# Altium PCB USB-SMB-ISO-CP2112-V-1.PcbDoc (continued)
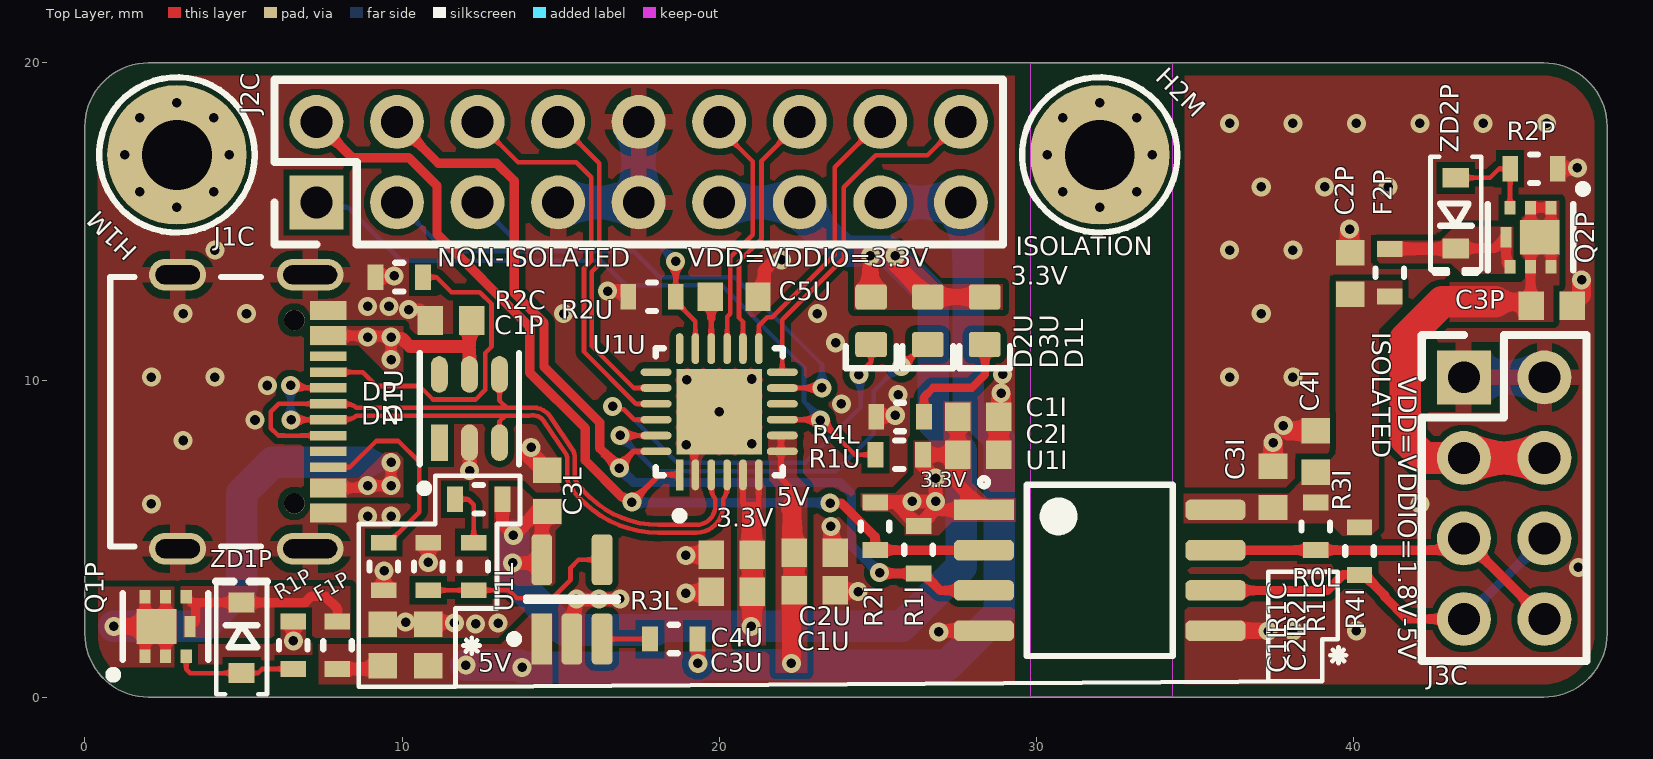
[diagram p0: Top Layer view]
## Part data
C1I C3U C4U: library part 100nF_6.3V, "Cap Cer 0.1UF 6.3V X7R 0603", MANUFACTURER="KYOCERA AVX", Package=0603, Supplier Part Number 1=478-KGM15AR70J104KMCT-ND, Voltage=6.3V, CATEGORY="Ceramic Capacitors", Manufacturer Part Number=KGM15AR70J104KM, Pricing 1="1=0.1, 10=0.032, 50=0.0186, 100=0.0144, 500=0.01082, 1000=0.0085, 2500=0.00772, 5000=0.00711 (USD)", Stock 1=117167, Supplier 1=Digikey, Tol=10%
C1L: library part 10uF_10V, "Multilayer Ceramic Capacitor, 10 uF, 10 V, ± 10%, X5R, 0603 [1608 Metric]", Case Code (Imperial)=0603, Case Code (Metric)=1608, Dielectric=X5R, Dielectric Material=Ceramic, MANUFACTURER=TDK, Max Operating Temperature=85°C, Min Operating Temperature=-55°C, Package Quantity=1, Supplier Part Number 1=ST47794328, Tolerance=10%, Voltage=10V, Case/Package=0603, CATEGORY="Ceramic Capacitors", componentlink1description=https://datasheet.ciiva.com/23802/1796654-23802763.pdf?src-supplier=Newark, componentlink1url=https://datasheet.ciiva.com/23802/1796654-23802763.pdf?src-supplier=Newark, componentlink2description=https://datasheet.ciiva.com/7975/1796654-7975065.pdf?src-supplier=Element14, componentlink2url=https://datasheet.ciiva.com/7975/1796654-7975065.pdf?src-supplier=Element14, ComponentLink3Description=https://datasheet.ciiva.com/22694/1796654-22694118.pdf?src-supplier=Element14, ComponentLink3URL=https://datasheet.ciiva.com/22694/1796654-22694118.pdf?src-supplier=Element14, ComponentLink4Description=https://datasheet.ciiva.com/28577/mlcc-commercial-general-en-28577085.pdf?src-supplier=Element14, ComponentLink4URL=https://datasheet.ciiva.com/28577/mlcc-commercial-general-en-28577085.pdf?src-supplier=Element14, ComponentLink5Description=https://datasheet.ciiva.com/28577/1744655-28577071.pdf?src-supplier=Element14, ComponentLink5URL=https://datasheet.ciiva.com/28577/1744655-28577071.pdf?src-supplier=Element14, ComponentLink6Description=https://datasheet.ciiva.com/6288/tdkmlcccaprange-6288222.pdf?src-supplier=Digikey, ComponentLink6URL=https://datasheet.ciiva.com/6288/tdkmlcccaprange-6288222.pdf?src-supplier=Digikey, ComponentLink7Description=https://datasheet.ciiva.com/6288/tdkmlcccaprange-6288220.pdf?src-supplier=Digikey, ComponentLink7URL=https://datasheet.ciiva.com/6288/tdkmlcccaprange-6288220.pdf?src-supplier=Digikey, ComponentLink8Description=https://datasheet.ciiva.com/6288/tdkmlcccaprange-6288223.pdf?src-supplier=Digikey, ComponentLink8URL=https://datasheet.ciiva.com/6288/tdkmlcccaprange-6288223.pdf?src-supplier=Digikey, ComponentLink9Description=https://datasheet.ciiva.com/16449/mlcc-commercial-general-en-16449573.pdf?src-supplier=Future+Electronics, ComponentLink9URL=https://datasheet.ciiva.com/16449/mlcc-commercial-general-en-16449573.pdf?src-supplier=Future+Electronics, ComponentLink10Description=https://datasheet.ciiva.com/48671/e412-c-48671301.pdf?src-supplier=Avnet, ComponentLink10URL=https://datasheet.ciiva.com/48671/e412-c-48671301.pdf?src-supplier=Avnet, Construction=Flat, Depth=0.8mm, Height=0.8mm, Lead Free="Lead Free", Length=1.6mm, Manufacturer Part Number=C1608X5R1A106K080AC, Material=4241ConductorMaterial, Mounting Technology="Surface Mount", packaging="Tape and Reel", Pins=2, Pricing 1="1=61.09, 10=33.6, 50=30.24, 100=24, 500=21.6, 1000=20.52, 2000=19.9, 4000=9.6 (JPY)", Reach SVHC Compliant=No, RoHS=Yes, RoHS Compliant=Yes, SERIES=C, Stock 1=1640, Supplier 1=CoreStaff, Termination=SMD/SMT, Thickness=0.035inch, Voltage Rating=10V, Voltage Rating (DC)=10V, Weight=7.1E-05oz, Width=0.031inch
C1P C1U C2L C2U C3P C4I: library part 100nF_10V, "Multilayer Ceramic Capacitor, 0.1 uF, 10 V, ± 10%, X7R, 0603 [1608 Metric]", Case Code (Imperial)=0603, Case Code (Metric)=1608, Dielectric=X7R, Dielectric Material=Ceramic, MANUFACTURER=KEMET, Max Operating Temperature=125°C, Min Operating Temperature=-55°C, Package Quantity=1, Supplier Part Number 1=80-C0603C104K8R, Temperature Coefficient=30ppm/°C, Tolerance=10%, Voltage=10V, Case/Package=0603, CATEGORY="Ceramic Capacitors", componentlink1description=https://datasheet.ciiva.com/6093/1776114-6093269.pdf?src-supplier=Farnell, componentlink1url=https://datasheet.ciiva.com/6093/1776114-6093269.pdf?src-supplier=Farnell, componentlink2description=https://datasheet.ciiva.com/7823/kem-c1002-x7r-smd-7823989.pdf?src-supplier=Element14, componentlink2url=https://datasheet.ciiva.com/7823/kem-c1002-x7r-smd-7823989.pdf?src-supplier=Element14, ComponentLink3Description=https://datasheet.ciiva.com/22693/1851736-22693967.pdf?src-supplier=Element14, ComponentLink3URL=https://datasheet.ciiva.com/22693/1851736-22693967.pdf?src-supplier=Element14, ComponentLink4Description=https://datasheet.ciiva.com/14589/70095383-14589402.pdf?src-supplier=Allied+Electronics, ComponentLink4URL=https://datasheet.ciiva.com/14589/70095383-14589402.pdf?src-supplier=Allied+Electronics, ComponentLink5Description=https://datasheet.ciiva.com/14593/70095383-14593978.pdf?src-supplier=Allied+Electronics, ComponentLink5URL=https://datasheet.ciiva.com/14593/70095383-14593978.pdf?src-supplier=Allied+Electronics, ComponentLink6Description=https://datasheet.ciiva.com/5419/kem-c1002-x7r-smd-357932-5419657.pdf?src-supplier=Mouser, ComponentLink6URL=https://datasheet.ciiva.com/5419/kem-c1002-x7r-smd-357932-5419657.pdf?src-supplier=Mouser, ComponentLink7Description=https://datasheet.ciiva.com/18192/getdatasheetpartid-91529-18192711.pdf?src-supplier=Verical, ComponentLink7URL=https://datasheet.ciiva.com/18192/getdatasheetpartid-91529-18192711.pdf?src-supplier=Verical, Construction=Flat, Depth=0.8mm, Dissipation Factor=5%, Height=0.8mm, Lead Free=5697LeadFree, Lead Pitch=0.7mm, Length=1.6mm, Manufacturer Part Number=C0603C104K8RACTU, Material=4241ConductorMaterial, Mounting Technology="Surface Mount,PCB", packaging="Tape and Reel", Pins=2, Pricing 1="1=0.11, 10=0.075, 50=0.075, 100=0.036, 1000=0.021, 10000=0.017 (USD)", Radiation Hardening=No, Reach SVHC Compliant=No, RoHS=Yes, RoHS Compliant=Yes, SERIES=C, Stock 1=246409, Supplier 1=Mouser, Termination=SMD/SMT, Thickness=0.034inch, Voltage Rating=10V, Voltage Rating (DC)=10V, Width=0.031inch
C2I: library part 1nF_6.3V, "Cap Ceramic 0.001uF 6.3V C0G 10% SMD 0603 125°C Paper T/R", Case Code (Imperial)=0603, Case Code (Metric)=1608, Dielectric=C0G, MANUFACTURER="Kyocera AVX", Max Operating Temperature=125°C, Min Operating Temperature=-55°C, Package Quantity=4000, Tolerance=10%, Voltage Rating=6.3V, Case/Package=0603, CATEGORY="Ceramic Capacitors", componentlink1description=https://datasheet.ciiva.com/6265/ccog-6265066.pdf?src-supplier=Digikey, componentlink1url=https://datasheet.ciiva.com/6265/ccog-6265066.pdf?src-supplier=Digikey, Construction=Flat, Depth=0.81mm, Length=1.6mm, Manufacturer Part Number=06036A102KAT2A, Mounting Technology="Surface Mount", packaging="Tape and Reel", Pins=2, RoHS=Yes, RoHS Compliant=Yes, SERIES=-, Supplier 1=Avnet, Supplier Part Number 1=06036A102KAT2A, Termination=SMD/SMT, Thickness=0.035inch, Voltage Rating (DC)=6.3V, Width=0.032inch
C2P: library part 1uF_10V, "Ceramic Capacitor, Multilayer, Ceramic, 10V, 10% +Tol, 10% -Tol, X5R, 15% TC, 1uF, 0603", Case Code (Imperial)=0603, Case Code (Metric)=1608, Dielectric=X5R, Dielectric Material=Ceramic, MANUFACTURER=KEMET, Max Operating Temperature=85°C, Min Operating Temperature=-55°C, Package Quantity=1, Tolerance=10%, Voltage=10V, Case/Package=0603, CATEGORY="Ceramic Capacitors", Construction=Flat, Depth=0.8mm, Height=0.8mm, Lead Free=5697LeadFree, Length=1.6mm, Manufacturer Part Number=C0603C105K8PACTU, Mounting Technology="Surface Mount", packaging="Tape and Reel", Pins=2, Pricing 1="1=0.1, 10=0.03, 50=0.03, 100=0.018, 1000=0.014, 10000=0.009 (USD)", Radiation Hardening=No, Reach SVHC Compliant=No, RoHS=Yes, RoHS Compliant=Yes, SERIES=C, Stock 1=221942, Supplier 1=Mouser, Termination=SMD/SMT, Thickness=0.035inch, Voltage Rating=10V, Voltage Rating (DC)=10V, Weight=7.1E-05oz, Width=0.031inch
C3I: library part 1nF_10V, "Cap Ceramic 0.001uF 10V X7R 10% SMD 0603 125°C Paper T/R", Case Code (Imperial)=0603, Case Code (Metric)=1608, Dielectric=X7R, MANUFACTURER=Yageo, Max Operating Temperature=125°C, Min Operating Temperature=-55°C, Supplier Part Number 1=6091492, Tolerance=10%, Voltage Rating=10V, Case/Package=0603, CATEGORY="Ceramic Capacitors", componentlink1description=https://datasheet.ciiva.com/13210/upy-gphc-x7r-6-3v-to-50v-8-12304-13210264.pdf?src-supplier=Mouser, componentlink1url=https://datasheet.ciiva.com/13210/upy-gphc-x7r-6-3v-to-50v-8-12304-13210264.pdf?src-supplier=Mouser, Construction=Flat, Halogen Free="Halogen Free", Height=0.8mm, Lead Free="Lead Free", Length=0.063inch, Manufacturer Part Number=CC0603KRX7R6BB102, Mounting Technology="Surface Mount", packaging="Tape and Reel", Pricing 1="4000=0.0036, 16000=0.0035, 80000=0.0033, 160000=0.0033, 500000=0.0031 (USD)", RoHS=Yes, RoHS Compliant=Yes, SERIES=CC, Stock 1=16000, Supplier 1="Future Electronics", Termination=Wraparound, Thickness=0.035inch, Voltage Rating (DC)=10V, Width=0.031inch
C3L: library part 10uF_6.3V, "Multilayer Ceramic Capacitor, 10 uF, 6.3 V, ± 10%, X5R, 0603 [1608 Metric]", Case Code (Imperial)=0603, Case Code (Metric)=1608, Dielectric=X5R, MANUFACTURER=Samsung, Max Operating Temperature=85°C, Min Operating Temperature=-55°C, Package Quantity=1, Tolerance=10%, Voltage=6.3V, Case/Package=0603, CATEGORY="Ceramic Capacitors", componentlink1description=https://datasheet.ciiva.com/25793/cl10a106kq8nnnc-25793136.pdf?src-supplier=Digikey, componentlink1url=https://datasheet.ciiva.com/25793/cl10a106kq8nnnc-25793136.pdf?src-supplier=Digikey, componentlink2description=https://datasheet.ciiva.com/26838/getdatasheetpartid-359689-26838341.pdf?src-supplier=Verical, componentlink2url=https://datasheet.ciiva.com/26838/getdatasheetpartid-359689-26838341.pdf?src-supplier=Verical, ComponentLink3Description=https://datasheet.ciiva.com/29198/457384-da-01-en-vs-kondensator-0603-29198793.pdf?src-supplier=Conrad, ComponentLink3URL=https://datasheet.ciiva.com/29198/457384-da-01-en-vs-kondensator-0603-29198793.pdf?src-supplier=Conrad, Construction=Flat, Depth=0.8mm, Height=0.8mm, Length=1.6mm, Manufacturer Part Number=CL10A106KQ8NNNC, Material=Ceramic, Mounting Technology="Surface Mount", packaging="Tape and Reel", Pricing 1="4000=0.01211, 8000=0.01183, 16000=0.01155, 24000=0.01128, 32000=0.011 (USD)", Radiation Hardening=No, RoHS=Yes, RoHS Compliant=Yes, SERIES=CL, Stock 1=304000, Supplier 1=Avnet, Supplier Part Number 1=CL10A106KQ8NNNC, Thickness=0.035inch, Voltage Rating=6.3V, Voltage Rating (DC)=6.3V, Width=0.031inch
C5U: library part 4.7uF_10V, "Multilayer Ceramic Capacitor, 4.7 uF, 10 V, ± 10%, X5R, 0603 [1608 Metric]", Case Code (Imperial)=0603, Case Code (Metric)=1608, Dielectric=X5R, MANUFACTURER=Samsung, Max Operating Temperature=85°C, Min Operating Temperature=-55°C, Package Quantity=1, Tolerance=10%, Voltage Rating=10V, Case/Package=0603, CATEGORY="Ceramic Capacitors", Construction=Flat, Depth=0.8mm, Height=0.8mm, Length=1.6mm, Manufacturer Part Number=CL10A475KP8NNNC, Mounting Technology="Surface Mount", packaging="Tape and Reel", Pricing 1="4000=0.0042 (USD)", Radiation Hardening=No, RoHS=Yes, RoHS Compliant=Yes, SERIES=CL, Stock 1=412000, Supplier 1=Verical, Supplier Part Number 1=CL10A475KP8NNNC, Thickness=0.035inch, Voltage Rating (DC)=10V, Width=0.031inch
D1L: library part LED_0603_YELLOW, "LED 0603 YELLOW SMD"
D1U: library part SRV05-4, "TVS DIODE 5V 15V SOT23-6", Breakdown Voltage=6V, Clamping Voltage=15V, MANUFACTURER="Bourns Inc.", Max Junction Temp=+150°C, Peak Pulse Current=30A, Peak Pulse Power=500W, Reverse Standoff Voltage=5V, Temperature="-55°C to +150°C", Temperature Range Low=-55°C, Automotive=No, CATEGORY=Diode, componentlink2description=Datasheet, componentlink2url=https://www.bourns.com/docs/Product-Datasheets/CDSOT23-SRV05-4.pdf, Device Class L1="Circuit Protection", Device Class L2="TVS Diodes", Device Class L3=unset, Digikey Description="TVS DIODE 5V 15V SOT23-6", Direction=Bidirectional, Height=1.45mm, Ipc Land Pattern Name=SOT95P280X118-6, Lead Free=Yes, Manufacturer Part Number=CDSOT23-SRV05-4, Mouser Description="CDSOT23-SRV05-4, Quad Uni-Directional TVS Diode, 500W, 6-Pin SOT-23", Number Of Channels=4, Octopart=https://octopart.com/cdsot23-srv05-4-bourns-1679449, Package=CDSOT23-SRV05-4, RoHS=TRUE, Standoff Height=0.2mm, Temperature Range High=+150°C
D2U: library part LED_0603_GREEN, "LED 0603 GREEN SMD"
D3U: library part LED_0603_RED, "LED 0603 RED SMD"
F1P F2P: library part FUSE_PPTC_0603, "Fuse PPTC SMD 0603"
H1M H2M: library part MountingHole_Pad_2.2mm(M2), ki_description="Mounting Hole with connection", ki_fp_filters=MountingHole*Pad*, ki_keywords="mounting hole", Supplier=~
J1C: library part USB-Type-C-16-Pin-SMT, "USB Connector Type C SMT 16 Pin / (Power pins joints = 12 pins)", MANUFACTURER=GCT, Manufacturer Part Number=USB4105-GF-A-060
J2C: library part "PinHeader 2X09 DU"
J3C: library part I2C_2X04_P2.54mm
Q1P Q2P: MANUFACTURER=Nexperia, Supplier Part Number 1=4177131, Manufacturer Part Number=PMPB14XPZ, RoHS=No, Stock 1=3000, Supplier 1=Element14
R0L: library part 1.69K, "Surface Mount Thick Film Chip Resistor 0603 Case 1.69K Ohms 1% Tolerance 100 PPM", Case Code (Imperial)=0603, Case Code (Metric)=1608, MANUFACTURER=Rohm, Max Operating Temperature=155°C, Max Power Dissipation=100mW, Min Operating Temperature=-55°C, Package Quantity=1, Temperature Coefficient=100ppm/°C, Tolerance=1%, Voltage Rating (DC)=50V, Case/Package=0603, CATEGORY="Chip SMD Resistors", componentlink1description=http://rohmfs.rohm.com/en/products/databook/datasheet/passive/resistor/chip_resistor/mcr.pdf?src-supplier=Avnet, componentlink1url=http://rohmfs.rohm.com/en/products/databook/datasheet/passive/resistor/chip_resistor/mcr.pdf?src-supplier=Avnet, componentlink2description=http://www.rohm.com/web/global/datasheet/MCR03EZPFX/mcr-e?src-supplier=Digikey, componentlink2url=http://www.rohm.com/web/global/datasheet/MCR03EZPFX/mcr-e?src-supplier=Digikey, Features="Automotive AEC-Q200", Height=0.022inch, Lead Free="Lead Free", Length=0.063inch, Manufacturer Part Number=MCR03EZPFX1691, Mounting Technology="Surface Mount", Number of Terminations=2, packaging="Cut Tape", Power Rating=100mW, Pricing 1="1=0.0232, 217=0.0145, 1380=0.0087, 5748=0.0044 (USD)", RoHS=Yes, RoHS Compliant=Yes, SERIES=MCR03, Stock 1=11347, Supplier 1=Quest, Supplier Part Number 1=MCR03EZPFX1691, Width=0.031inch
R1C R2C: library part 5.1K, "SMD Chip Resistor, 5.1 kOhm, ± 1%, 100 mW, 0603 [1608 Metric], Thick Film, General Purpose", Case Code (Imperial)=0603, Case Code (Metric)=1608, MANUFACTURER=Vishay, Max Operating Temperature=155°C, Max Power Dissipation=100mW, Min Operating Temperature=-55°C, Package Quantity=5000, Resistance Tolerance=1%, Resistor Type="Thick Film", Supplier Part Number 1=71-CRCW0603-5.1K-E3, Temperature Coefficient=100ppm/°C, Voltage Rating=75V, Case/Package=0603, CATEGORY="Chip SMD Resistors", componentlink1description=https://datasheet.ciiva.com/11809/0900766b80d98afc-11809935.pdf?src-supplier=Rs, componentlink1url=https://datasheet.ciiva.com/11809/0900766b80d98afc-11809935.pdf?src-supplier=Rs, componentlink2description=https://datasheet.ciiva.com/7690/1720486-7690873.pdf?src-supplier=Element14, componentlink2url=https://datasheet.ciiva.com/7690/1720486-7690873.pdf?src-supplier=Element14, ComponentLink3Description=https://datasheet.ciiva.com/15159/getdatasheetpartid-32793-15159338.pdf?src-supplier=Verical, ComponentLink3URL=https://datasheet.ciiva.com/15159/getdatasheetpartid-32793-15159338.pdf?src-supplier=Verical, ComponentLink4Description=https://datasheet.ciiva.com/26314/fld-crcw-e3-data-en-26314742.pdf?src-supplier=Distrelec, ComponentLink4URL=https://datasheet.ciiva.com/26314/fld-crcw-e3-data-en-26314742.pdf?src-supplier=Distrelec, ComponentLink5Description=https://datasheet.ciiva.com/7690/1697337-7690728.pdf?src-supplier=Element14, ComponentLink5URL=https://datasheet.ciiva.com/7690/1697337-7690728.pdf?src-supplier=Element14, ComponentLink6Description=https://datasheet.ciiva.com/3257/dcrcwe3-3257758.pdf?src-supplier=Avnet, ComponentLink6URL=https://datasheet.ciiva.com/3257/dcrcwe3-3257758.pdf?src-supplier=Avnet, ComponentLink7Description=https://datasheet.ciiva.com/16226/dcrcwe3-16226862.pdf?src-supplier=Future+Electronics, ComponentLink7URL=https://datasheet.ciiva.com/16226/dcrcwe3-16226862.pdf?src-supplier=Future+Electronics, Construction=Rectangular, Contact Plating=Tin, Depth=0.85mm, Features="Automotive AEC-Q200", Height=0.45mm, Lead Free=5697LeadFree, Length=1.55mm, Manufacturer Part Number=CRCW06035K10FKEA, Military Standard=Not, Number of Terminations=2, packaging="Tape and Reel", Power Rating=100mW, Pricing 1="1=0.1, 10=0.034, 50=0.034, 100=0.014, 1000=0.008, 10000=0.004 (USD)", Radiation Hardening=No, Reach SVHC Compliant=Unknown, RoHS=Yes, RoHS Compliant=Yes, SERIES=CRCW, Stock 1=43654, Supplier 1=Mouser, Technology="THICK FILM", Termination=SMD/SMT, Tolerance=1%, Voltage Rating (DC)=75V, Weight=7.1E-05oz, Width=0.85mm
R1I R2I R3I R4I: library part 2.2K, "SMD Chip Resistor, 2.2 kOhm, ± 1%, 100 mW, 0603 [1608 Metric], Thick Film, General Purpose", Case Code (Imperial)=0603, Case Code (Metric)=1608, MANUFACTURER=Yageo, Max Operating Temperature=155°C, Max Power Dissipation=100mW, Min Operating Temperature=-55°C, Resistance Tolerance=1%, Resistor Type="Thick Film", Supplier Part Number 1=6372452, Temperature Coefficient=100ppm/°C, Voltage Rating=50V, Case/Package=0603, CATEGORY="Chip SMD Resistors", componentlink1description=https://datasheet.ciiva.com/2453/pyu-r-int-thick-7-2453943.pdf?src-supplier=Digikey, componentlink1url=https://datasheet.ciiva.com/2453/pyu-r-int-thick-7-2453943.pdf?src-supplier=Digikey, componentlink2description=https://datasheet.ciiva.com/2453/pyu-r-int-thick-7-2453944.pdf?src-supplier=Digikey, componentlink2url=https://datasheet.ciiva.com/2453/pyu-r-int-thick-7-2453944.pdf?src-supplier=Digikey, ComponentLink3Description=https://datasheet.ciiva.com/2453/pyu-r-int-thick-7-2453945.pdf?src-supplier=Digikey, ComponentLink3URL=https://datasheet.ciiva.com/2453/pyu-r-int-thick-7-2453945.pdf?src-supplier=Digikey, ComponentLink4Description=https://datasheet.ciiva.com/7660/1868787-7660791.pdf?src-supplier=Element14, ComponentLink4URL=https://datasheet.ciiva.com/7660/1868787-7660791.pdf?src-supplier=Element14, ComponentLink5Description=https://datasheet.ciiva.com/46394/443971-46394958.pdf?src-supplier=Element14, ComponentLink5URL=https://datasheet.ciiva.com/46394/443971-46394958.pdf?src-supplier=Element14, Features="Moisture Resistant", Lead Free="Lead Free", Manufacturer Part Number=RC0603FR-072K2L, Number of Terminations=2, packaging="Tape and Reel", Power Rating=100mW, Pricing 1="5000=0.0026, 75000=0.001, 100000=0.0024, 200000=0.001, 375000=0.0023, 500000=0.0009, 1250000=0.0022, 5000000=0.002 (USD)", Reach SVHC Compliant=Unknown, RoHS=Yes, RoHS Compliant=Yes, SERIES=RC, Stock 1=6755000, Supplier 1="Future Electronics", Tolerance=1%
R1L: library part 33K, "Res Thick Film 0603 33K Ohm 1% 0.1W(1/10W) ±100ppm/C Pad SMD Automotive T/R", Case Code (Imperial)=0603, Case Code (Metric)=1608, MANUFACTURER=Panasonic, Max Operating Temperature=155°C, Max Power Dissipation=100mW, Min Operating Temperature=-55°C, Package Quantity=1, Resistance Tolerance=1%, Resistor Type="Thick Film", Supplier Part Number 1=ERJ3EKF3302V, Temperature Coefficient=100ppm/°C, Voltage Rating=75V, Case/Package=0603, CATEGORY="Chip SMD Resistors", Construction=Rectangular, Contact Plating=Tin, Depth=0.8mm, Features="Automotive AEC-Q200", Height=0.022inch, Lead Free=5697LeadFree, Length=1.6mm, Manufacturer Part Number=ERJ-3EKF3302V, Military Standard=Not, Mounting Technology="Surface Mount", Number of Terminations=2, packaging="Tape and Reel", Pins=2, Power Rating=100mW, Pricing 1="5000=0.0041, 10000=0.0039, 20000=0.0037, 40000=0.0036, 50000=0.0035 (USD)", Radiation Hardening=No, Reach SVHC Compliant=No, RoHS=Yes, RoHS Compliant=Yes, SERIES=ERJ, Stock 1=350000, Supplier 1=Onlinecomponents.com, Termination=SMD/SMT, Tolerance=1%, Voltage Rating (DC)=75V, Width=0.8mm
R1P R2P: library part 100K, "SMD Chip Resistor, 100 kOhm, ± 1%, 100 mW, 0603 [1608 Metric], Thick Film, General Purpose", Case Code (Imperial)=0603, Case Code (Metric)=1608, MANUFACTURER=Yageo, Max Operating Temperature=155°C, Max Power Dissipation=100mW, Min Operating Temperature=-55°C, Ratings=AEC-Q200, Supplier Part Number 1=6029288, Temperature Coefficient=100ppm/°C, Tolerance=1%, Voltage Rating=50V, Working Voltage=75V, Case/Package=0603, CATEGORY="Chip SMD Resistors", componentlink1description=https://datasheet.ciiva.com/26862/getdatasheetpartid-715379-26862460.pdf?src-supplier=Verical, componentlink1url=https://datasheet.ciiva.com/26862/getdatasheetpartid-715379-26862460.pdf?src-supplier=Verical, componentlink2description=https://datasheet.ciiva.com/5562/pyu-ac-51-rohs-l-2-5562536.pdf?src-supplier=Mouser, componentlink2url=https://datasheet.ciiva.com/5562/pyu-ac-51-rohs-l-2-5562536.pdf?src-supplier=Mouser, Construction=Rectangular, Depth=0.8mm, Features="Moisture Resistant,Automotive AEC-Q200", Lead Free=5697LeadFree, Length=1.6mm, Manufacturer Part Number=AC0603FR-07100KL, Military Standard=Not, Moisture Sensitivity Level=1, Number of Terminations=2, packaging="Tape and Reel", Power Rating=100mW, Pricing 1="5000=0.0034, 25000=0.0018, 75000=0.0032, 125000=0.0017, 250000=0.0031, 750000=0.003, 2500000=0.0027 (USD)", RoHS=Yes, RoHS Compliant=Yes, SERIES=AC, Stock 1=3790000, Supplier 1="Future Electronics", Technology="THICK FILM", Termination=SMD/SMT
R1U R2U R3L: library part 10K, "SMD Chip Resistor, 10 kOhm, ± 1%, 100 mW, 0603 [1608 Metric], Thick Film, General Purpose", Case Code (Imperial)=0603, Case Code (Metric)=1608, MANUFACTURER=Yageo, Max Operating Temperature=155°C, Max Power Dissipation=100mW, Min Operating Temperature=-55°C, Resistance Tolerance=1%, Resistor Type="Thick Film", Supplier Part Number 1=4023214, Temperature Coefficient=100ppm/°C, Voltage Rating=75V, Voltage Rating (DC)=50V, Case/Package=0603, CATEGORY="Chip SMD Resistors", Construction=Rectangular, Depth=0.8mm, Features="Moisture Resistant", Height=0.45mm, Lead Free=5697LeadFree, Lead Pitch=0.3mm, Length=1.6mm, Manufacturer Part Number=RC0603FR-0710KL, Military Standard=Not, Number of Terminations=2, packaging="Tape and Reel", Pins=2, Power Rating=100mW, Pricing 1="5000=0.0015, 50000=0.0014, 150000=0.0014, 375000=0.0013, 1000000=0.0012 (USD)", Reach SVHC Compliant=No, RoHS=Yes, RoHS Compliant=Yes, SERIES=RC, Stock 1=44660000, Supplier 1="Future Electronics", Termination=SMD/SMT, Tolerance=1%, Weight=7.1E-05oz, Width=0.8mm
R2L: library part 20K, "SMD Chip Resistor, 20 kOhm, ± 1%, 100 mW, 0603 [1608 Metric], Thick Film, General Purpose", Case Code (Imperial)=0603, Case Code (Metric)=1608, MANUFACTURER=Bourns, Max Operating Temperature=155°C, Max Power Dissipation=100mW, Min Operating Temperature=-55°C, Package Quantity=1, Resistance Tolerance=1%, Resistor Type="Thick Film", Temperature Coefficient=100ppm/°C, Voltage Rating=50V, Case/Package=0603, CATEGORY="Chip SMD Resistors", componentlink1description=https://datasheet.ciiva.com/11809/0900766b80fcdb72-11809666.pdf?src-supplier=Rs, componentlink1url=https://datasheet.ciiva.com/11809/0900766b80fcdb72-11809666.pdf?src-supplier=Rs, componentlink2description=https://datasheet.ciiva.com/9121/chpreztr-9121928.pdf?src-supplier=Avnet, componentlink2url=https://datasheet.ciiva.com/9121/chpreztr-9121928.pdf?src-supplier=Avnet, Contact Plating=Tin, Depth=0.8mm, Features="Moisture Resistant", Height=0.45mm, Length=1.6mm, Manufacturer Part Number=CR0603-FX-2002ELF, Mounting Technology="Surface Mount", Number of Terminations=2, packaging="Tape and Reel", Power Rating=100mW, Pricing 1="20000=0.0014, 40000=0.0013, 80000=0.0013, 160000=0.0012 (USD)", Radiation Hardening=No, Reach SVHC Compliant=No, RoHS=Yes, RoHS Compliant=Yes, SERIES=CR0603, Stock 1=20000, Supplier 1=Onlinecomponents.com, Supplier Part Number 1=CR0603-FX-2002ELF, Technology="THICK FILM", Termination=SMD/SMT, Thickness=457um, Tolerance=1%, Voltage Rating (DC)=50V, Width=0.8mm